# Altium PCB Inverter_2kW.PcbDoc (part 2 of 3) (continued)
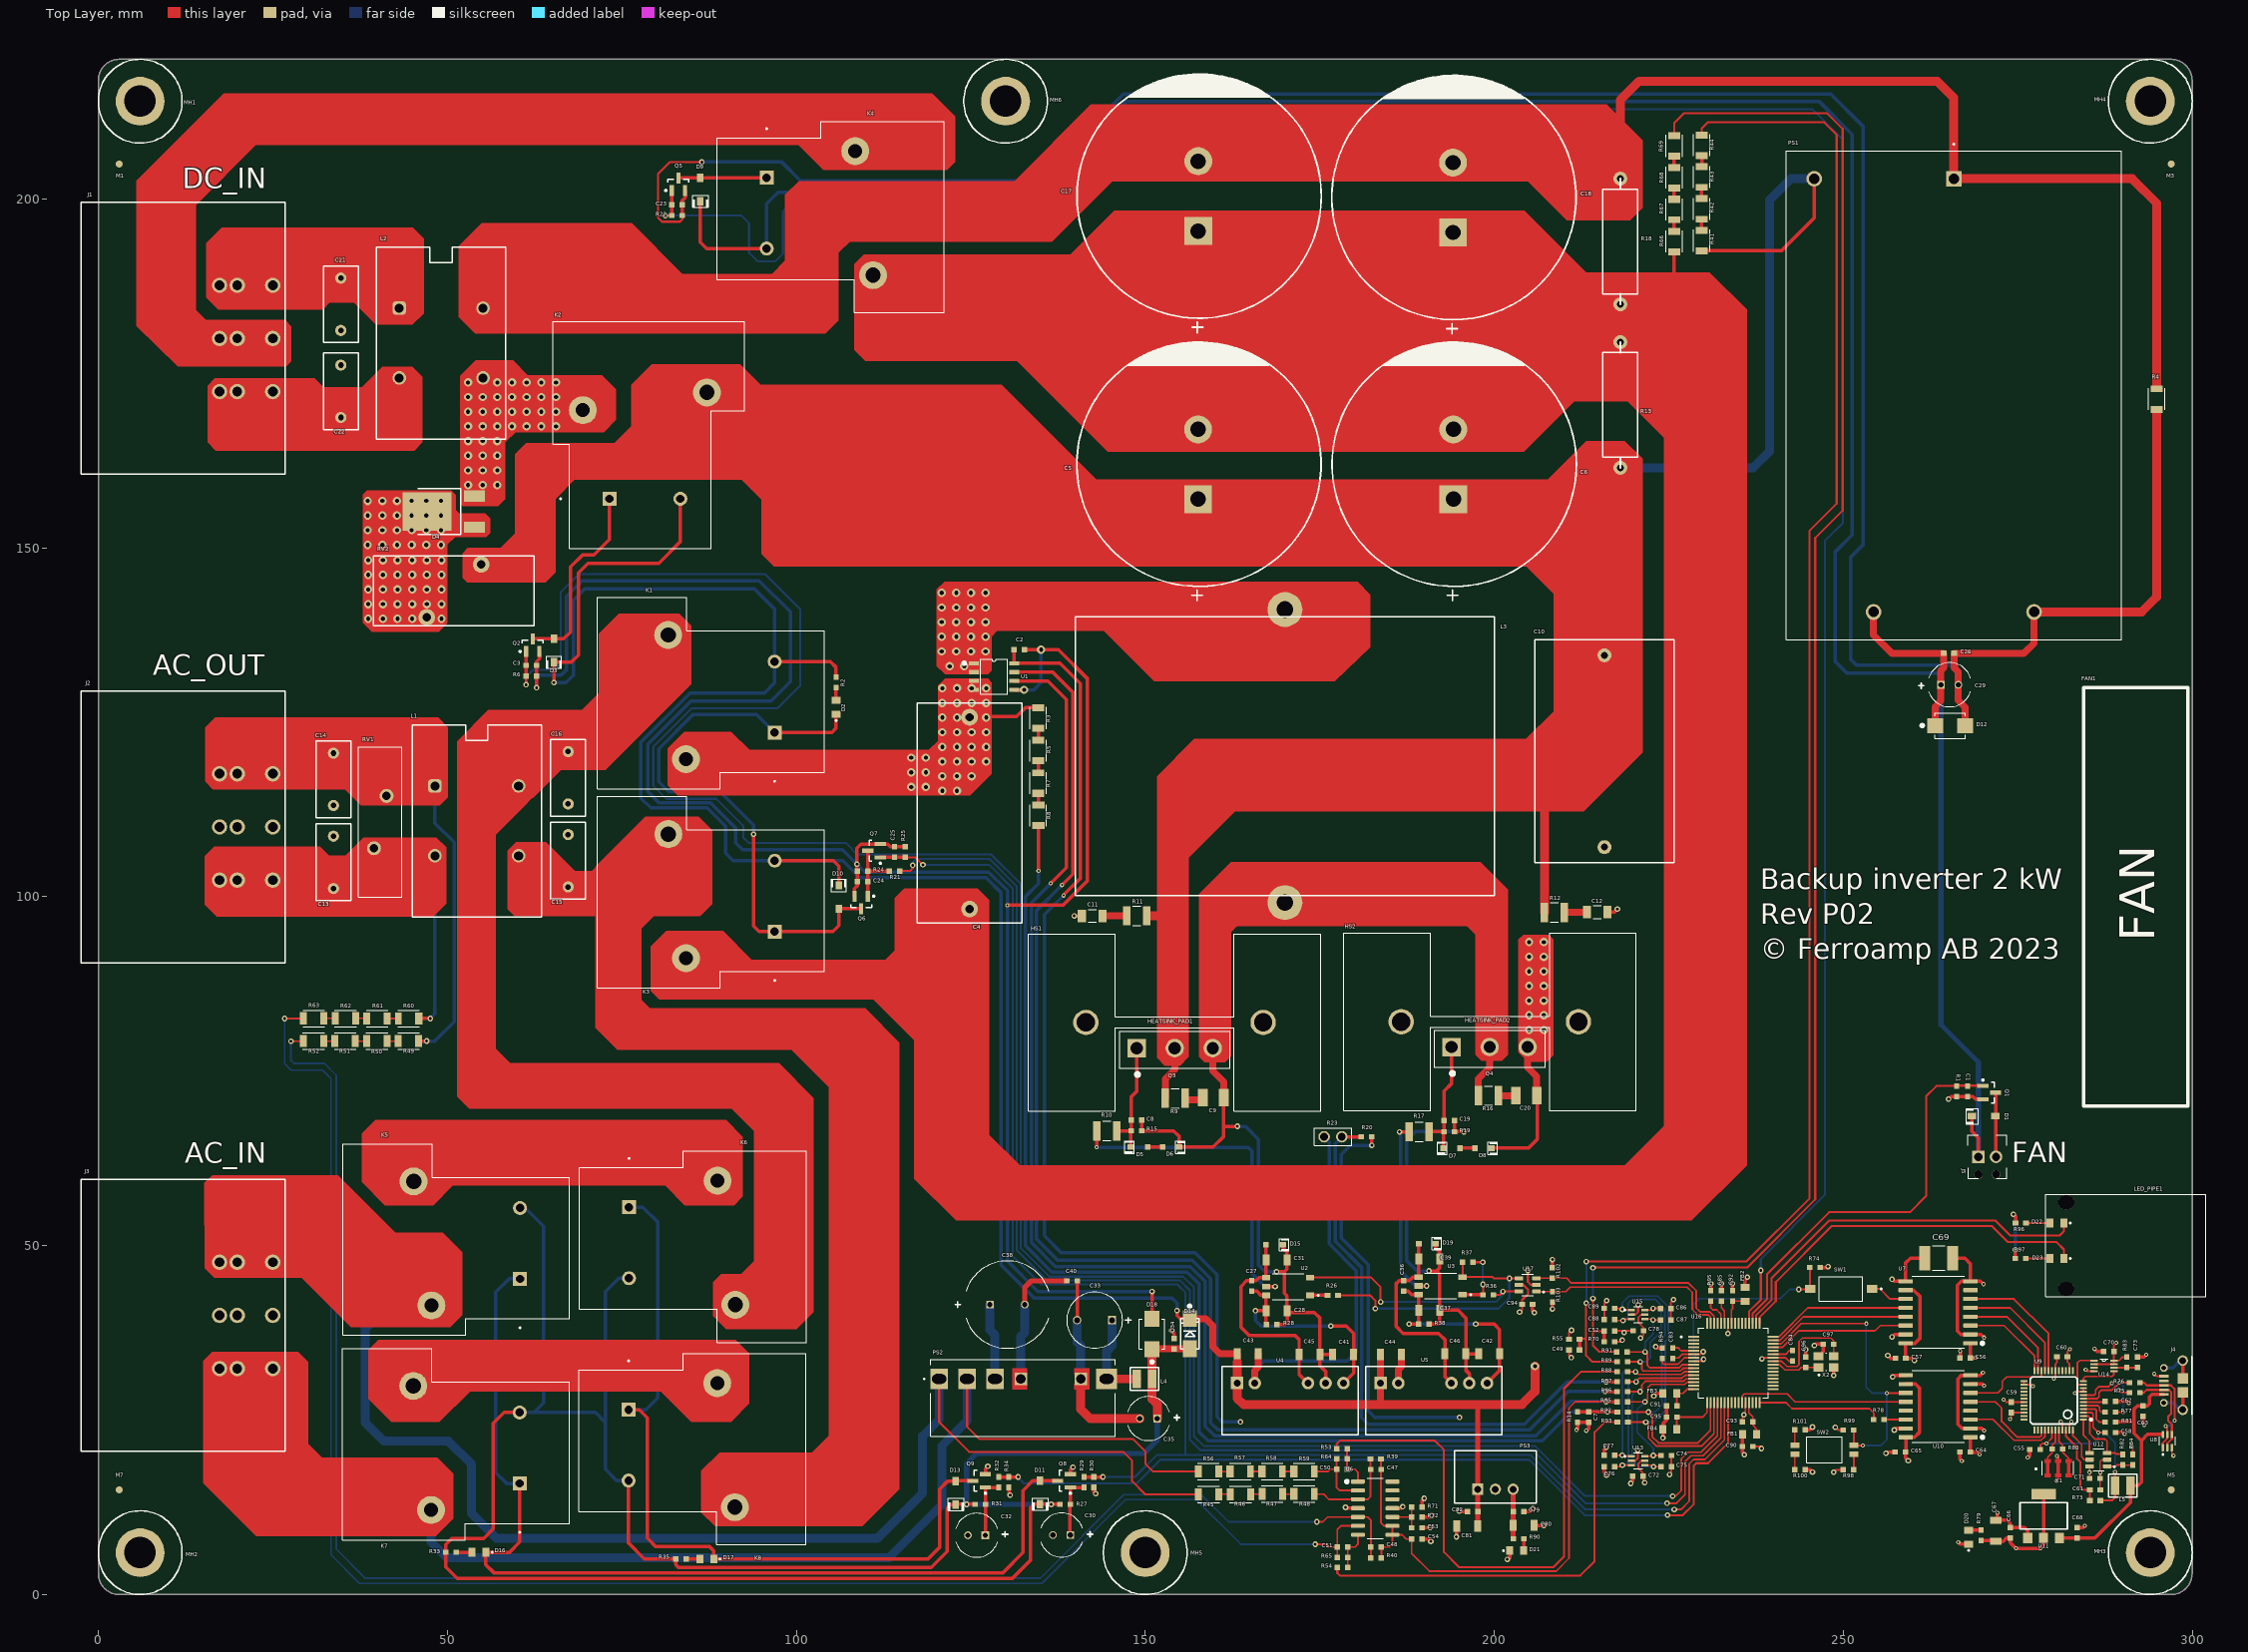
[diagram p0: Top Layer view]
## Nets (pads, with @x,y where several pads share a name; then routed paths per layer and width w, separated by ;. In a path a pad name is that pad's centre, name@x,y a point inside that pad or via, vN(x,y) a via of type N, cw(c..) or ccw(c..) an arc to the next point about the centre after c; other vN are vias at no path point) (continued)
  Top Layer w1: D18.C@150.99,35.2 C34.2@154.15,35.2 D14.A@156.35,35.2
  Top Layer w1.27: D18.C@150.975,35.185 L4.2@150.975,30.9 150.975,28.025 151.725,27.275 C35.1@151.725,25.225
  Bottom Layer w0.5: K7.2@60.375,26.085 62.41,26.085 ; K5.2@60.425,55.395 61.155,55.395 63.8,52.75 63.8,27.475 62.41,26.085 ; K8.2@75.975,16.33 74.27,16.33 72.65,17.95 72.65,24.65 ; K6.2@76.035,45.335 74.585,45.335 72.65,43.4 72.65,24.65 ; 62.41,26.085 71.215,26.085 72.65,24.65
  Bottom Layer w0.75: v2(136.525,12.925) v2(124.4,12.925) 124.4,18.8 125.8,20.2 149.8,20.2 151.725,22.125 C35.1@151.725,25.225
+15V_1: C27.2 C28.2 C41.2 R28.2 U2.6 U4.7 | length 32
  Top Layer w0.5: C27.2@165.25,43.475 166,43.475 166.595,42.88 U2.6@167.325,42.88 C28.2@167.325,40.675 ; v2(165.8,40.675) C28.2@167.325,40.675 ; R28.2@167.325,38.7 C28.2@167.325,40.675 ; C28.2@167.35,40.65 C28.2@167.325,40.675 ; v2(176.6,38.475) 178.8,38.475 179.85,37.425 C41.2@179.85,34.4 179.85,31.75 U4.7@178.4,30.3
  Bottom Layer w0.5: v2(165.8,40.675) 165.8,39.25 166.575,38.475 v2(176.6,38.475)
+15V_2: C36.2 C37.2 C42.2 R38.2 U3.6 U5.7 | length 29.6
  Top Layer w0.5: C36.2@187.025,43.475 187.675,43.475 188.195,42.955 U3.6@189.175,42.955 R38.2@189.175,38.75 v2(187.8,38.75) ; v2(197.35,38.75) 200,38.75 200.75,38 C42.2@200.75,34.5 200.75,32.085 U5.7@198.965,30.3
  Bottom Layer w0.5: v2(187.8,38.75) v2(197.35,38.75)
+HV: C5.1 C6.1 C10.2 K2.4 PS1.2 Q3.2 R9.2 R11.2 R12.2 R13.2 R41.2 RV2.2 | length 114.3
  Top Layer w0.5: R41.2@229.8,192.6 241.175,192.6 245.85,197.275 PS1.2@245.85,202.895
  Top Layer w1: R9.2@152.87,71.125 152.87,73.92 154.225,75.275 Q3.2@154.225,78.313
  Top Layer w1.27: R11.2@150.475,97.275 152.35,97.275 ; R12.2@207.195,97.75 207.195,112.795
  Bottom Layer w1.27: R13.2@218.075,161.475 237.1,161.475 239.475,163.85 239.475,199.85 242.52,202.895 PS1.2@245.85,202.895
-5V_1: C27.1 C31.1 C45.1 D15.A U2.4 U4.5 | length 30.6
  Top Layer w0.5: D15.A@167.325,50.125 U2.4@167.325,45.42 166.32,45.42 165.875,44.975 C27.1@165.25,44.975 164.525,44.975 163.7,44.15 163.7,38.3 164.85,37.15 171.45,37.15 172.05,36.55 C45.1@172.05,34.4 172.05,31.57 U4.5@173.32,30.3
-5V_2: C36.1 C39.1 C46.1 D19.A U3.4 U5.5 | length 29
  Top Layer w0.5: D19.A@189.175,50.3 U3.4@189.175,45.495 188.345,45.495 187.825,44.975 C36.1@187.025,44.975 186.375,44.975 185.925,44.525 185.925,38.475 186.975,37.425 192.05,37.425 192.925,36.55 C46.1@192.925,34.5 192.925,31.26 U5.5@193.885,30.3
-HV: C10.1 C11.1 C12.1 C17.2 C18.2 C19.1 C20.1 C37.1 C39.2 C42.1 C46.2 D8.C D19.C HS1.1 HS1.2 HS2.1 HS2.2 L2.4 PS1.1 Q4.3 R4.2 R18.1 R19.1 R38.1 U5.6 | length 215.7
  Top Layer w0.5: v2(139.825,97.25) C11.1@140.925,97.25 ; R38.1@190.675,38.75 191.85,38.75 192.2,39.1 C37.1@192.2,40.75 ; v2@190.675,46.4 v2(190.65,46.375) 191.725,46.375 ; D19.C@191.6,50.3 191.6,49.675 192.2,49.075 C39.2@192.2,48.075 192.2,46.85 191.725,46.375 ; C19.1@194.301,67.913 194.301,66.322 R19.1@194.3,66.321 v2(195.654,66.321) ; U5.6@196.425,30.3 196.425,31.65 195.925,32.15 C46.2@195.925,34.5 ; C42.1@197.75,34.5 C46.2@195.925,34.5 ; D8.C@199.659,63.962 204.912,63.962 206.2,65.25 C20.1@206.2,71.5 ; C12.1@216.225,97.8 217.225,97.8 v2(217.65,98.225) ; R18.1@218.075,202.9 218.075,210.175 ; 191.725,46.375 192.2,45.9 C37.1@192.2,40.75 ; C37.1@192.2,40.75 194.8,40.75 195.925,39.625 C46.2@195.925,34.5
  Top Layer w1: Q4.3@204.8,78.463 204.8,75.55 206.1,74.25 C20.1@206.1,71.5
  Top Layer w1.27: 218.075,210.175 218.075,214.175 220.775,216.875 263.45,216.875 265.85,214.475 PS1.1@265.85,202.895 291.405,202.895 294.925,199.375 R4.2@294.925,173.125
  Bottom Layer w0.5: 187.425,64.825 187.425,47.925 188.975,46.375 v2(190.65,46.375) ; 187.425,65.1 188.646,66.321 v2(195.654,66.321)
  other v1: 205,80.9 207.1,80.9 205,83 207.1,83 205,85.1 207.1,85.1 205,87.2 207.1,87.2 205,89.3 207.1,89.3 205,91.4 207.1,91.4 205,93.5 207.1,93.5
ACL_IN: J3.1 K5.3 PS2.1 R45.1 | length 184.8
  Top Layer w0.254: R45.1@157.57,14.325 R45.1@157.77,14.125
  Top Layer w0.3: PS2.1@120.475,30.9 120.475,24.725 124.75,20.45 146.85,20.45 148.125,19.175 148.125,16.25 150.025,14.35 R45.1@157.62,14.35
  Bottom Layer w1.27: K5.3@47.725,41.425 41.525,41.425 38.25,38.15 38.25,24.625 40.85,22.025 50.1,22.025 53.475,18.65 53.475,11.625 57.05,8.05 111.625,8.05 118.1,14.525 118.1,22.7 120.475,25.075 PS2.1@120.475,30.9
ACL_OUT: C14.2 J2.1 L1.1 R49.1 RV1.1 | length 41.1
  Top Layer w0.5: R49.1@45.93,79.325 v2(47.05,79.325)
  Bottom Layer w0.5: v2(47.05,79.325) 48.2,79.325 50.975,82.1 50.975,107.8 48.225,110.55 L1.1@48.225,115.875
ACN_IN: J3.3 K7.3 PS2.2 R56.1 | length 145.3
  Top Layer w0.3: PS2.2@124.475,30.9 124.475,24.05 126.25,22.275 148.275,22.275 150.025,20.525 150.025,18.725 151.13,17.62 R56.1@157.595,17.62 ; R56.1@157.565,17.575 R56.1@157.745,17.395
  Bottom Layer w1.27: K7.3@47.675,12.115 47.675,7.531 49.931,5.275 113.275,5.275 120.87,12.87 120.87,21.32 124.475,24.925 PS2.2@124.475,30.9
ACN_OUT: C13.2 J2.3 L1.2 R60.1 RV1.2 | length 25.2
  Top Layer w0.5: R60.1@45.93,82.55 v2(47.575,82.55)
  Bottom Layer w0.5: v2(47.575,82.55) 48.225,83.2 L1.2@48.225,105.875
DF_CLK: U9.11 U14.1 | length 6.4
  Top Layer w0.254: U9.11@284.425,30.075 283.775,30.075 283.55,30.3 283.55,33.175 283.912,33.537 U14.1@285.946,33.535
DF_OE: U9.12 U14.5 | length 5.5
  Top Layer w0.254: U9.12@284.425,30.575 284.425,30.975 284.7,31.25 288.52,31.25 ; 288.518,31.248 288.52,31.25 ; U14.5@288.79,32.011 288.79,31.52 288.52,31.25
Earth: C13.1 C14.1 C15.1 C16.1 C21.1 C22.1 J2.2 J3.2 MH1.0 MH2.0
GND: C1.1 C2.1 C3.1 C7.1 C23.1 C24.1 C25.1 C26.1 C29.2 C30.2 C32.2 C33.2 C34.1 C35.2 C40.1 C43.1 C44.1 C49.1 C52.1 C53.1 C54.1 C57.1 C65.1 C69.1 C72.1 C74.1 C75.1 C76.1 C77.1 C78.1 C79.1 C80.1 C81.1 C82.1 C83.1 C84.1 C85.1 C86.1 C87.1 C88.1 C89.1 C90.1 C91.1 C92.1 C93.1 C94.1 C95.1 C96.1 C97.1 D12.A D18.A D21.C FB4.2 PS1.4 PS2.5 PS3.2 Q1.2 Q2.2 Q5.2 Q6.2 Q7.2 Q8.2 Q9.2 R1.2 R4.1 R6.2 R14.1 R22.2 R23.2 R24.2 R25.2 R30.1 R34.1 R55.1 R70.1 R72.2 R74.1 R95.1 R98.2 R99.2 R102.1 R103.1 U1.5 U4.2 U5.2 U6.11 U7.9 U7.15 U10.9 U10.15 U13.2 U15.2 U16.6 U16.28 U16.42 U16.58 U17.2 X2.2 X2.4 | length 868.7
  Top Layer w0.254: C83.1@225.6,33.775 225.725,33.9 226.4,33.9 226.925,34.425 U16.6@228.57,34.425 229.575,34.425 v2(229.95,34.8) ; v2(233.5,37.4) U16.58@233.5,38.855 ; C93.1@235.575,24.775 235.575,25.55 v2(235.788,25.763) 236,25.975 U16.28@236,27.495 ; v2(238.363,33.787) 238.5,33.925 U16.42@239.93,33.925 241.75,33.925 242.225,33.45 C84.1@242.75,33.45
  Top Layer w0.3: R22.2@83.675,197.625 83.675,197.05 83.35,196.725 80.775,196.725 80.2,197.3 80.2,203.6 81.875,205.275 v2(86.475,205.275) ; v2(204.825,46.45) 204.825,44.825 205.275,44.375 U17.2@206.055,44.375 ; C49.1@210.725,35.05 210.725,34.3 v2@211,34.025 ; R55.1@210.725,36.6 210.725,37.525 v2(211.075,37.875) ; C88.1@215.775,39.4 C89.1@215.775,41.025 215.775,41.775 v2(216.125,42.125) ; R70.1@217.275,36.225 218.125,36.225 v2(218.35,36.45) ; C52.1@217.275,37.775 218.4,37.775 v2(218.625,37.55) 218.875,37.8 C78.1@219.9,37.8 ; U13.2@219.67,19.175 220.2,19.175 220.575,19.55 v2(220.575,20.7) ; U15.2@219.67,40.125 220.25,40.125 220.625,40.5 v2(220.625,41.525) ; v2(225.125,17.2) 225.4,17.475 C75.1@225.4,18.325 C74.1@225.4,19.925 ; C87.1@225.325,39.325 C86.1@225.325,40.975 225.325,41.9 v2(225.7,42.275) ; C90.1@237.075,21.2 238.025,21.2 v2(238.3,20.925) ; v2@248.7,17.625 248.95,17.875 R98.2@250.025,17.875 ; v2(248.875,23.975) 249.275,23.575 R99.2@250.025,23.575
  Top Layer w0.5: v2(62.8,129.95) R6.2@62.8,131.625 C3.1@62.8,133.15 62.8,133.7 63.2,134.1 Q2.2@63.2,135.15 ; R22.2@83.675,197.625 83.675,199.775 84.075,200.175 Q5.2@84.075,201.2 ; Q6.2@108.35,100.075 108.35,101.15 108.75,101.55 C24.1@108.75,102.15 R24.2@108.75,103.675 108.7,103.725 v2(108.7,104.675) 108.7,106.975 109.275,107.55 Q7.2@112.05,107.55 113.1,107.55 113.5,107.15 C25.1@114.075,107.15 R25.2@115.6,107.15 ; Q9.2@127.1,17.25 127.1,18.025 v2(127.45,18.375) ; v3(130.25,98.775) 138.225,98.775 141.675,102.225 141.675,131.3 137.575,135.4 v1(135.075,135.4) C2.1@132.7,135.4 ; R34.1@130.45,15.35 130.45,14.45 v2(130.65,14.25) ; U1.5@131.225,129.645 v1(132.655,129.645) ; Q8.2@139.275,17.25 139.275,17.875 v2(139.65,18.25) ; C33.2@140.25,39.325 C40.1@140.25,44.95 ; R30.1@142.65,15.35 142.65,14.7 v2(142.9,14.45) ; D18.A@150.975,39.515 v2(150.975,43.425) ; v2(153.825,37.825) 154.15,37.5 C34.1@154.15,36.7 ; U6.11@185.425,12.375 186.7,12.375 v2(186.9,12.575) ; C54.1@189.675,7.95 190.6,7.95 v2(190.925,7.625) ; C53.1@189.675,9.575 v2(190.825,9.575) ; R72.2@189.675,11.1 190.775,11.1 v2(191,11.325) ; v2(194.575,8.275) C81.1@194.575,9.825 ; v2(195,11.95) 195.075,11.875 C82.1@196.2,11.875 ; v2(201.875,5.05) 202.225,5.4 ; 202.225,5.275 202.225,5.4 ; D21.C@202.225,6.3 202.225,5.4 ; C79.1@204.225,11.9 205.1,11.9 v2(205.525,12.325) ; C94.1@205.5,41.6 205.5,40.65 v2(205.75,40.4) ; C80.1@205.725,9.9 v2(207.1,9.9) ; R102.1@208.325,46.825 208.325,47.9 208.35,47.925 v2(208.35,48) ; v2(208.35,40.925) R103.1@208.35,41.925 ; v3(211.812,23.6) 211.95,23.738 R14.1@211.95,24.7 C7.1@213.55,24.7 213.55,23.788 v3@213.287,23.525 ; C76.1@215.75,18.325 215.75,17.45 v2(216.075,17.125) ; C77.1@215.75,19.95 215.75,20.825 v2(216.05,21.125) ; v2(219.575,15.925) 219.85,16.2 C72.1@219.85,16.975 ; v2(224.175,22.45) FB4.2@224.175,23.675 224.175,24.5 224.675,25 C95.1@224.675,25.425 C91.1@224.675,27.05 ; R95.1@231.025,43.55 v2(231.025,44.575) ; C85.1@232.55,43.55 v2(232.55,44.55) ; C92.1@234.15,43.55 v2(234.15,44.575) ; C96.1@244.625,34.05 v2(244.625,35.1) ; v2(245.875,35.7) 246.05,35.875 C97.1@247.15,35.875 247.15,34.85 X2.4@246.45,34.15 ; R74.1@246.725,46.875 247.7,46.875 v2(247.825,47) ; v2(248.65,31.4) X2.2@248.65,32.55 ; v2(256.125,20.25) 256.3,20.425 C65.1@257.45,20.425 ; v2(256.4,34.25) 256.8,33.85 C57.1@257.475,33.85 ; v2(257,36.925) 257.35,37.275 U7.15@258.96,37.275 ; v2(257,45.175) 257.28,44.895 U7.9@258.96,44.895 258.96,47.535 259.625,48.2 C69.1@261.658,48.2 C69.1@261.733,48.2 ; v2(257.1,31.2) 257.33,31.43 U10.9@258.97,31.43 ; v2(257.325,23.575) 257.56,23.81 U10.15@258.97,23.81 ; v2(265.1,71) 265.475,71.375 R1.2@266.275,71.375 C1.1@267.825,71.375 268.575,71.375 268.975,70.975 Q1.2@270.025,70.975
  Top Layer w1: U4.2@165.7,30.3 165.7,32.075 166.2,32.575 C43.1@166.2,34.5 ; U5.2@186.265,30.3 186.265,32.24 186.7,32.675 C44.1@186.7,34.4 ; D12.A@267.49,124.525 267.49,127.16 266.5,128.15 C29.2@266.5,130.375 266.5,132.225 265.9,132.825 C26.1@265.9,134.9 275.925,134.9 277.35,136.325 PS1.4@277.35,140.805
  Top Layer w1.27: PS2.5@140.765,30.9 140.765,26.535 142.075,25.225 C35.2@149.225,25.225 ; PS1.4@277.35,140.805 292.78,140.805 294.925,142.95 R4.1@294.925,169.65
  Bottom Layer w0.5: v2(62.8,129.95) 62.8,131.35 63.2,131.75 66.325,131.75 67.075,132.5 67.075,143.025 69.325,145.275 94.7,145.275 99.15,140.825 99.15,130.825 96.375,128.05 84.925,128.05 78.7,121.825 78.7,115.1 80.375,113.425 87.75,113.425 91.325,109.85 91.325,107.725 92.3,106.75 106.625,106.75 v2(108.7,104.675) 109.825,103.55 127.575,103.55 130.25,100.875 v3(130.25,98.775) 130.25,47.8 134.625,43.425 v2(150.975,43.425) ; v2(86.475,205.275) 97.925,205.275 100.625,202.575 134.435,202.575 146.885,215.025 248.225,215.025 252.825,210.425 252.825,150.425 251.1,148.7 251.1,134 251.9,133.2 265.3,133.2 266.5,132 C29.2@266.5,130.375 ; v1(132.655,129.645) 134.045,129.645 135.075,130.675 v1(135.075,135.4) ; U4.2@165.7,30.3 165.7,32.2 166.975,33.475 178.925,33.475 180.2,34.75 180.2,46.425 176.375,50.25 176.375,64.855 R23.2@175.63,65.6
  Bottom Layer w1.27: C33.2@140.25,39.325 140.25,36.175 140.765,35.66 PS2.5@140.765,30.9
  other v2: 248.65,17.525 211.05,33.95
  other v3: 213.187,23.475
GND_USB: C55.1 C56.1 C58.1 C59.1 C60.1 C61.1 C62.1 C63.1 C64.1 C66.1 C67.1 C68.1 C69.2 C70.1 C71.1 C73.1 D20.C J4.5 J4.6 MH3.0 U7.2 U7.8 U8.3 U9.9 U9.10 U9.18 U9.25 U9.26 U9.34 U9.45 U9.47 U10.2 U10.8 U11.1 U12.2 U14.4 X1.2 | length 92.1
  Top Layer w0.254: v3(273.925,25.15) 274.1,25.325 C59.1@274.1,26.075 U9.34@275.925,26.075 ; U9.25@275.925,30.575 U9.26@275.925,30.075 276.975,30.075 v3(277.175,29.875) ; v3(280.2,30.925) 280.425,31.15 U9.18@280.425,32.075 280.425,33.05 280.625,33.25 C60.1@280.625,34.075 ; v3(281.175,24.75) 281.425,24.5 U9.45@281.425,23.575 ; U9.47@282.425,23.575 282.425,24.475 v3(282.7,24.75) ; v3(283.225,28.875) 283.425,29.075 U9.9@284.425,29.075 U9.10@284.425,29.575 ; C61.1@286.85,15 286.825,15.025 C71.1@286.825,16.625 286.825,19.075 287.075,19.325 U12.2@287.83,19.325 ; U8.3@297.1,21.04 297.1,20.125 v3(297.325,19.9)
  Top Layer w0.3: v3(280.575,16.275) 280.8,16.5 X1.2@280.8,18.1 280.8,19.7 v3(280.625,19.875) ; v3(284.75,32.225) 284.964,32.011 U14.4@285.946,32.011 ; v3(294.55,31.625) 294.9,31.275 J4.5@295.95,31.275
  Top Layer w0.5: C69.2@265.767,48.2 267.425,48.2 268.24,47.385 U7.8@268.24,44.895 ; v3(266.5,7.475) 266.75,7.225 D20.C@267.975,7.225 ; C56.1@266.725,33.9 266.775,33.95 v3(266.775,34.9) ; C64.1@266.75,20.425 266.75,19.375 v3(267,19.125) ; v3(270.025,31.775) 269.68,31.43 266.955,31.43 266.425,30.9 266.425,24.4 267.015,23.81 U10.2@268.25,23.81 269.89,23.81 v3(270.2,23.5) ; v3(270.1,44.475) 269.68,44.895 U7.8@268.24,44.895 ; v3(270.2,36.825) 269.75,37.275 266.875,37.275 266.375,37.775 266.375,44.35 266.92,44.895 U7.8@268.24,44.895 ; v3(272.1,11.7) 272.075,11.675 272.075,10.65 273.5,10.65 273.95,10.2 C66.1@273.95,9.6 275.975,9.6 276.439,9.136 U11.1@276.439,8.101 ; v3(276.45,19.625) 276.75,19.925 C55.1@276.75,20.775 ; C68.1@283.525,9.6 284.4,9.6 v3(284.65,9.85) ; v3(286.025,35.2) 286.402,34.823 C70.1@287.293,34.823 ; C58.1@289.05,23.225 290.1,23.225 v3(290.325,23) ; C62.1@289.05,27.675 290.675,27.675 v3(290.925,27.425) ; C73.1@292.168,34.023 293.073,34.023 v3(293.4,34.35) ; C63.1@292.95,25.55 292.95,24.5 v3(293.15,24.3) ; J4.6@298.65,26.475 J4.6@298.65,28.975 ; J4.6@298.65,30.975 J4.6@298.65,33.525
  Bottom Layer w0.5: J4.6@295.95,27.475 297.274,27.475 J4.6@298.274,26.475 ; J4.6@295.95,32.475 297.224,32.475 J4.6@298.274,33.525
  other v3: 286.825,17.475
GPIO_34: R98.1 SW2.1 | length 2.2
  Top Layer w0.254: SW2.1@251.52,20.115 251.525,20.11 R98.1@251.525,17.875
MIDV: C8.1 C9.1 C28.1 C31.2 C41.1 C45.2 D6.C D15.C L3.1 Q3.3 Q4.2 R15.1 R16.2 R28.1 U4.6 | length 94.6
  Top Layer w0.5: C8.1@149.518,68 R15.1@149.518,66.45 154.1,66.45 154.892,65.658 154.892,64.116 159.741,64.116 161.25,65.625 161.25,67.1 ; C9.1@161.25,71.2 161.25,67.1 ; v2(163.2,67.1) 161.25,67.1 ; v2(168.825,46.275) 169.925,46.275 ; R28.1@168.85,38.7 170,38.7 170.35,39.05 C28.1@170.35,40.425 ; D15.C@169.725,50.125 169.725,49.675 170.3,49.1 C31.2@170.3,47.95 170.3,46.65 169.925,46.275 ; C28.1@170.35,40.65 C28.1@170.35,40.425 ; U4.6@175.86,30.3 175.86,31.94 175.05,32.75 C45.2@175.05,34.4 ; C41.1@176.85,34.4 C45.2@175.05,34.4 ; 169.925,46.275 169.925,43.2 170.325,42.8 170.325,40.425 C28.1@170.35,40.425 ; C28.1@170.35,40.425 174.25,40.425 175.05,39.625 C45.2@175.05,34.4
  Top Layer w1: Q3.3@159.675,78.313 159.675,75.025 161.25,73.45 C9.1@161.25,71.2 ; R16.2@197.72,71.488 197.72,73.895 199.345,75.52 199.345,78.458 Q4.2@199.35,78.463
  Bottom Layer w0.5: v2(163.2,67.1) 164.35,67.1 166.225,65.225 166.225,47.225 167.175,46.275 v2(168.825,46.275)
NetC1_2: C1.2 Q1.1 R1.1 U16.51 | length 62.3
  Top Layer w0.3: U16.51@237,38.855 237,40.225 239.1,42.325 239.1,45.925 247.975,54.8 259.575,54.8 261.875,57.1 261.875,71.4 263.35,72.875 R1.1@266.275,72.875 R1.1@266.375,72.875 ; R1.1@266.45,72.95 R1.1@266.425,72.925 ; Q1.1@270.025,72.875 C1.2@267.825,72.875 R1.1@266.375,72.875 ; Q1.1@270.2,72.925 R1.1@266.425,72.925 ; R1.1@266.375,72.875 R1.1@266.425,72.925
NetC3_2: C3.2 Q2.1 R6.1 U16.20 | length 350.3
  Top Layer w0.254: v2(225.575,14.1) 226,14.1 226.8,14.9 226.8,19.45 227.75,20.4 229.625,20.4 232,22.775 U16.20@232,27.495
  Top Layer w0.3: v2(61.3,130.375) R6.1@61.3,131.625
  Top Layer w0.5: R6.1@61.3,131.625 C3.2@61.3,133.15 Q2.1@61.3,135.15
  Bottom Layer w0.3: v2(61.3,130.375) 61.3,131.5 62.325,132.525 65.475,132.525 66.25,133.3 66.25,143.625 68.85,146.225 95.525,146.225 100.575,141.175 100.575,130.275 97.3,127 85.025,127 79.525,121.5 79.525,115.9 81.4,114.025 88.55,114.025 92.4,110.175 92.4,108.5 93.175,107.725 107.1,107.725 108.775,106.05 127.95,106.05 132.175,101.825 132.175,49.625 136.25,45.55 155.454,45.55 156.975,44.029 156.975,22.7 158.375,21.3 205.825,21.3 213,14.125 v2@225.575,14.125
NetC4_2: C4.2 K1.3 R3.2 U1.3 U1.4 | length 10.4
  Top Layer w0.5: C4.2@124.825,125.725 124.925,125.825 131.575,125.825 132.83,127.08 R3.2@134.675,127.08
  other v1: 120.925,115.175 123.025,115.175 116.475,115.725 118.575,115.725 120.925,117.275 123.025,117.275 125.125,117.275 116.475,117.825 118.575,117.825 120.925,119.375 123.025,119.375 125.125,119.375 127.225,119.375 116.475,119.925 118.575,119.925 120.925,121.475 123.025,121.475 125.125,121.475 127.225,121.475 120.925,123.575 123.025,123.575 125.125,123.575 127.225,123.575 120.925,125.675 123.025,125.675 127.225,125.675 120.925,127.775 123.025,127.775 125.125,127.775 127.225,127.775 120.925,129.875 123.025,129.875 125.125,129.875 127.225,129.875
NetC7_2: C7.2 R8.1 R14.2 R92.1 | length 175.8
  Top Layer w0.5: v3(134.713,103.687) R8.1@134.713,110.195 ; R14.2@211.95,26.2 C7.2@213.55,26.2 213.575,26.175 v2(216.225,26.175) 217.625,26.175 R92.1@217.65,26.15
  Bottom Layer w0.5: v3(134.713,103.687) 134.713,101.888 132.875,100.05 132.875,49.975 136.638,46.212 156.012,46.212 157.75,44.475 157.75,23.275 159,22.025 206.875,22.025 211.025,26.175 v2(216.225,26.175)
NetC8_2: C8.2 D5.C Q3.1 R10.1 R15.2 | length 18
  Top Layer w0.5: R10.1@145.973,66.45 148,66.45 R15.2@148,66.432 ; D5.C@147.918,64.116 147.918,66.35 R15.2@148,66.432 ; R15.2@148,66.468 R15.2@148.018,66.45 ; C8.2@148.018,68 R15.2@148.018,66.45 ; R15.2@148.025,66.643 148.025,71.35 148.775,72.1 Q3.1@148.775,78.313 ; R15.2@148,66.432 R15.2@148.018,66.45
NetC9_2: C9.2 R9.1 | length 2.5
  Top Layer w1: R9.1@155.705,70.875 C9.2@158.225,70.875
NetC11_2: C11.2 R11.1 | length 3.3
  Top Layer w1: C11.2@143.875,97.25 R11.1@147.2,97.25
NetC12_2: C12.2 R12.1 | length 3.1
  Top Layer w1: R12.1@210.055,97.75 C12.2@213.175,97.75
NetC15_2: C15.2 K3.4 K8.4 L1.3
NetC16_2: C16.2 K1.4 K6.4 L1.4
NetC19_2: C19.2 D7.C Q4.1 R17.1 R19.2 | length 17.1
  Top Layer w0.5: R17.1@190.68,66.325 190.684,66.321 R19.2@192.8,66.321 192.713,66.234 D7.C@192.713,63.963 ; R19.2@192.8,66.321 C19.2@192.801,67.913 192.801,72.126 193.92,73.245 Q4.1@193.92,78.443
NetC20_2: C20.2 R16.1 | length 2.5
  Top Layer w1: R16.1@200.58,71.488 203.088,71.488 C20.2@203.1,71.5
NetC23_2: C23.2 Q5.1 R22.1 U16.52 | length 368.2
  Top Layer w0.3: v2(81.225,197.6) 82.15,197.6 R22.1@82.175,197.625 ; U16.52@236.5,38.855 236.5,40.525 238.2,42.225 v2(238.2,46.45)
  Top Layer w0.5: R22.1@82.175,197.625 C23.2@82.175,199.15 Q5.1@82.175,201.2 Q5.1@82.175,201.3
  Bottom Layer w0.3: v2(81.225,197.6) 92.15,197.6 93.25,196.5 93.25,192.3 94.525,191.025 96.95,191.025 98.1,192.175 98.1,198.225 99.275,199.4 133.925,199.4 147.4,212.875 245.575,212.875 249.975,208.475 249.975,153.6 247.375,151 247.375,57.25 238.2,48.075 v2(238.2,46.45)
NetC24_2: C24.2 Q6.1 Q7.3 R21.2 R24.1 | length 9.6
  Top Layer w0.5: Q6.1@110.25,100.075 R24.1@110.25,103.675 ; Q7.3@110.25,106.6 R24.1@110.25,103.675 ; R21.2@113.325,103.675 R24.1@110.25,103.675
NetC25_2: C25.2 Q7.1 R25.1 R29.1 R30.2 U16.22 | length 232.6
  Top Layer w0.254: v2(225.8,12.2) 226.775,12.2 227.95,13.375 227.95,18.75 228.55,19.35 230.2,19.35 233,22.15 U16.22@233,27.495
  Top Layer w0.3: R25.1@115.6,105.65 117.05,105.65 117.456,105.244 117.45,105.239 118.114,104.575 v2(118.15,104.575)
  Top Layer w0.5: Q7.1@112.05,105.65 R25.1@115.6,105.65 ; R29.1@141.225,16.85 R30.2@142.65,16.85 v2(143.95,16.85)
  Bottom Layer w0.3: v2(118.15,104.575) 127.6,104.575 131.025,101.15 131.025,48.475 135.05,44.45 154.604,44.45 155.775,43.279 155.775,20.075 ; v2(143.95,16.85) 148.525,16.85 151.7,20.025 205.2,20.025 213.025,12.2 v2(225.8,12.2)
NetC30_1: C30.1 Q8.1 R27.1 R29.2 | length 8.8
  Top Layer w0.5: C30.1@139.225,8.65 R27.1@139.225,13.05 ; R27.1@139.275,12.925 Q8.1@139.275,15.35 R29.2@141.225,15.35
NetC32_1: C32.1 Q9.1 R31.1 R32.2 | length 8.8
  Top Layer w0.5: C32.1@127.1,8.5 R31.1@127.1,12.925 Q9.1@127.1,15.35 R32.2@129.025,15.35
NetC33_1: C33.1 L4.1 PS2.6 | length 13
  Top Layer w1.27: PS2.6@144.475,30.9 L4.1@148.775,30.9
  Bottom Layer w1.27: PS2.6@144.475,30.9 144.475,34.85 145.25,35.625 C33.1@145.25,39.325
NetC38_1: C38.1 PS2.3 | length 11
  Bottom Layer w1.27: C38.1@127.75,41.55 127.75,37.9 128.475,37.175 PS2.3@128.475,30.9
NetC38_2: C38.2 C40.2 PS2.4 | length 19.7
  Top Layer w0.75: C38.2@132.75,41.55 132.75,44.025 133.675,44.95 C40.2@138.75,44.95
  Bottom Layer w1.27: PS2.4@132.185,30.9 132.185,37.01 132.75,37.575 C38.2@132.75,41.55
NetC47_1: C47.1 R39.1 R48.2 U6.3 | length 13.9
  Top Layer w0.254: R48.2@174.23,14.4 175.575,14.4 176.33,13.645 U6.3@180.475,13.645 181.895,13.645 182.275,14.025 R39.1@182.275,19.425
NetC48_1: C48.1 R40.1 R52.2 U6.5 | length 242.4
  Top Layer w0.254: v2(27.6,79.3) R52.2@29.37,79.3 ; v2@174.4,10.425 v2(174.575,10.425) 175.45,10.425 176.13,11.105 U6.5@180.475,11.105 181.87,11.105 182.325,10.65 R40.1@182.325,5.25
  Bottom Layer w0.254: v2(27.6,79.3) 27.6,76.55 28.025,76.125 32.375,76.125 34.1,74.4 34.1,6.525 38.299,2.326 134.951,2.326 146.95,14.325 158.025,14.325 161.925,10.425 v2(174.575,10.425)
NetC49_2: C49.2 R44.1 R55.2 R89.1 | length 232
  Top Layer w0.3: R55.2@212.225,36.6 212.275,36.65 213.175,36.65 ; v2(213.175,41.775) 213.175,36.65 ; v2(213.2,47.725) 236.15,47.725 245.15,56.725 245.15,152.425 249.075,156.35 249.075,209.2 247.3,210.975 230.6,210.975 229.75,210.125 R44.1@229.75,209.155 ; R89.1@217.6,33.35 214.075,33.35 213.175,34.25 213.175,36.65
  Top Layer w0.5: C49.2@212.225,35.05 R55.2@212.225,36.6
  Bottom Layer w0.3: v2(213.175,41.775) 213.2,41.8 v2(213.2,47.725)
NetC50_1: C50.1 R53.1 R64.2 U6.1 | length 6
  Top Layer w0.254: R53.1@178.925,20.9 R64.2@178.925,19.475 C50.1@178.925,17.95 180.05,17.95 180.475,17.525 U6.1@180.475,16.185
NetC50_2: C50.2 R59.2 R64.1 U6.2 | length 10.7
  Top Layer w0.254: R59.2@174.23,17.645 176.22,17.645 176.525,17.95 C50.2@177.4,17.95 ; C50.2@177.425,17.95 C50.2@177.4,17.95 ; R64.1@177.425,19.475 177.4,19.45 C50.2@177.4,17.95 ; U6.2@180.475,14.915 177.885,14.915 177.4,15.4 C50.2@177.4,17.95
NetC51_1: C51.1 R54.1 R65.2 U6.7 | length 5.9
  Top Layer w0.254: R54.1@179.025,3.875 R65.2@179.025,5.3 C51.1@179.025,6.825 180.075,6.825 180.475,7.225 U6.7@180.475,8.565
NetC51_2: C51.2 R63.2 R65.1 U6.6 | length 245.8
  Top Layer w0.254: v2(26.7,82.55) 29.37,82.55 R63.2@29.395,82.575 ; v2(174.35,7.2) 175.85,7.2 176.225,6.825 C51.2@177.525,6.825 ; R65.1@177.525,5.3 177.525,9.325 178.035,9.835 U6.6@180.475,9.835
  Bottom Layer w0.254: v2(26.7,82.55) 26.7,76.1 27.65,75.15 32.15,75.15 33.35,73.95 33.35,5.7 37.447,1.603 135.178,1.603 147.175,13.6 157.3,13.6 163.7,7.2 v2(174.35,7.2)
NetC52_2: C52.2 R69.1 R70.2 R91.1 | length 236.5
  Top Layer w0.3: v2(214.15,42.425) 214.15,37.75 ; v2(214.15,46.825) 214.2,46.875 236.25,46.875 246,56.625 246,151.425 249.925,155.35 249.925,210.025 247.65,212.3 227.225,212.3 225.775,210.85 R69.1@225.775,209.055 ; C52.2@215.775,37.775 215.75,37.75 214.15,37.75 ; R91.1@217.575,34.775 215.075,34.775 214.15,35.7 214.15,37.75
  Top Layer w0.5: R70.2@215.775,36.225 C52.2@215.775,37.775
  Bottom Layer w0.3: v2(214.15,42.425) v2(214.15,46.825)
NetC53_2: C53.2 R71.2 R72.1 U6.10 | length 5.7
  Top Layer w0.254: U6.10@185.425,11.105 188.17,11.105 R72.1@188.175,11.1 ; C53.2@188.175,9.575 R72.1@188.175,11.1 ; R71.2@188.175,12.525 R72.1@188.175,11.1
NetC55_2: C55.2 C58.2 L5.2 R73.1 U9.3 U9.42 | length 31
  Top Layer w0.254: C55.2@278.25,20.775 278.25,21.375 278.525,21.65 v3(279.125,21.65) 279.925,22.45 U9.42@279.925,23.575 ; U9.3@284.425,26.075 285.65,26.075 285.817,25.908 285.817,23.958 v3(286.55,23.225) C58.2@287.55,23.225 ; L5.2@288.95,15.6 v3(288.95,17.55)
  Top Layer w0.3: R73.1@286.85,13.475 288.5,13.475 288.95,13.925 L5.2@288.95,15.6
  Bottom Layer w0.254: v3(279.125,21.65) 285.925,21.65 286.55,22.275 v3(286.55,23.225) 287.45,23.225 288.95,21.725 v3(288.95,17.55)
NetC61_2: C61.2 R73.2 U9.46 | length 12.1
  Top Layer w0.3: U9.46@281.925,23.575 281.925,22.65 283.5,21.075 283.5,19.45 284,18.95 284,15.35 284.35,15 C61.2@285.35,15 R73.2@285.35,13.475
NetC62_2: C62.2 U9.6 | length 3.2
  Top Layer w0.254: U9.6@284.425,27.575 287.45,27.575 C62.2@287.55,27.675
NetC73_2: C73.2 R83.1 U14.6 | length 3.4
  Top Layer w0.254: U14.6@288.79,32.519 292.164,32.519 C73.2@292.168,32.523
NetC74_2: C74.2 R85.2 U13.6 U16.14 | length 23
  Top Layer w0.254: R85.2@219.125,27.625 v2(221.6,27.625) 221.975,28 221.975,29.6 222.484,30.109 227.309,30.109 227.638,30.438 228.557,30.438 U16.14@228.57,30.425 ; U13.6@221.58,19.825 222.7,19.825 v2(222.8,19.925) C74.2@223.9,19.925
  Bottom Layer w0.254: v2(221.6,27.625) 220.475,26.5 220.475,23.275 222.8,20.95 v2(222.8,19.925)
NetC75_2: C75.2 R86.2 U13.4 U16.13 | length 27.2
  Top Layer w0.254: R86.2@219.125,29.075 v2(220.9,29.075) 221.15,29.325 221.15,30.05 221.663,30.563 227.121,30.563 227.45,30.892 228.537,30.892 U16.13@228.57,30.925 ; U13.4@221.58,18.525 222.625,18.525 v2(222.825,18.325) C75.2@223.9,18.325
  Bottom Layer w0.254: v2(220.9,29.075) 220.275,29.075 219.75,28.55 219.75,19.25 220.675,18.325 v2(222.825,18.325)